# Altium PCB EDA-03517-V2-0_pcb.pcbdoc (part 4 of 5) (continued)
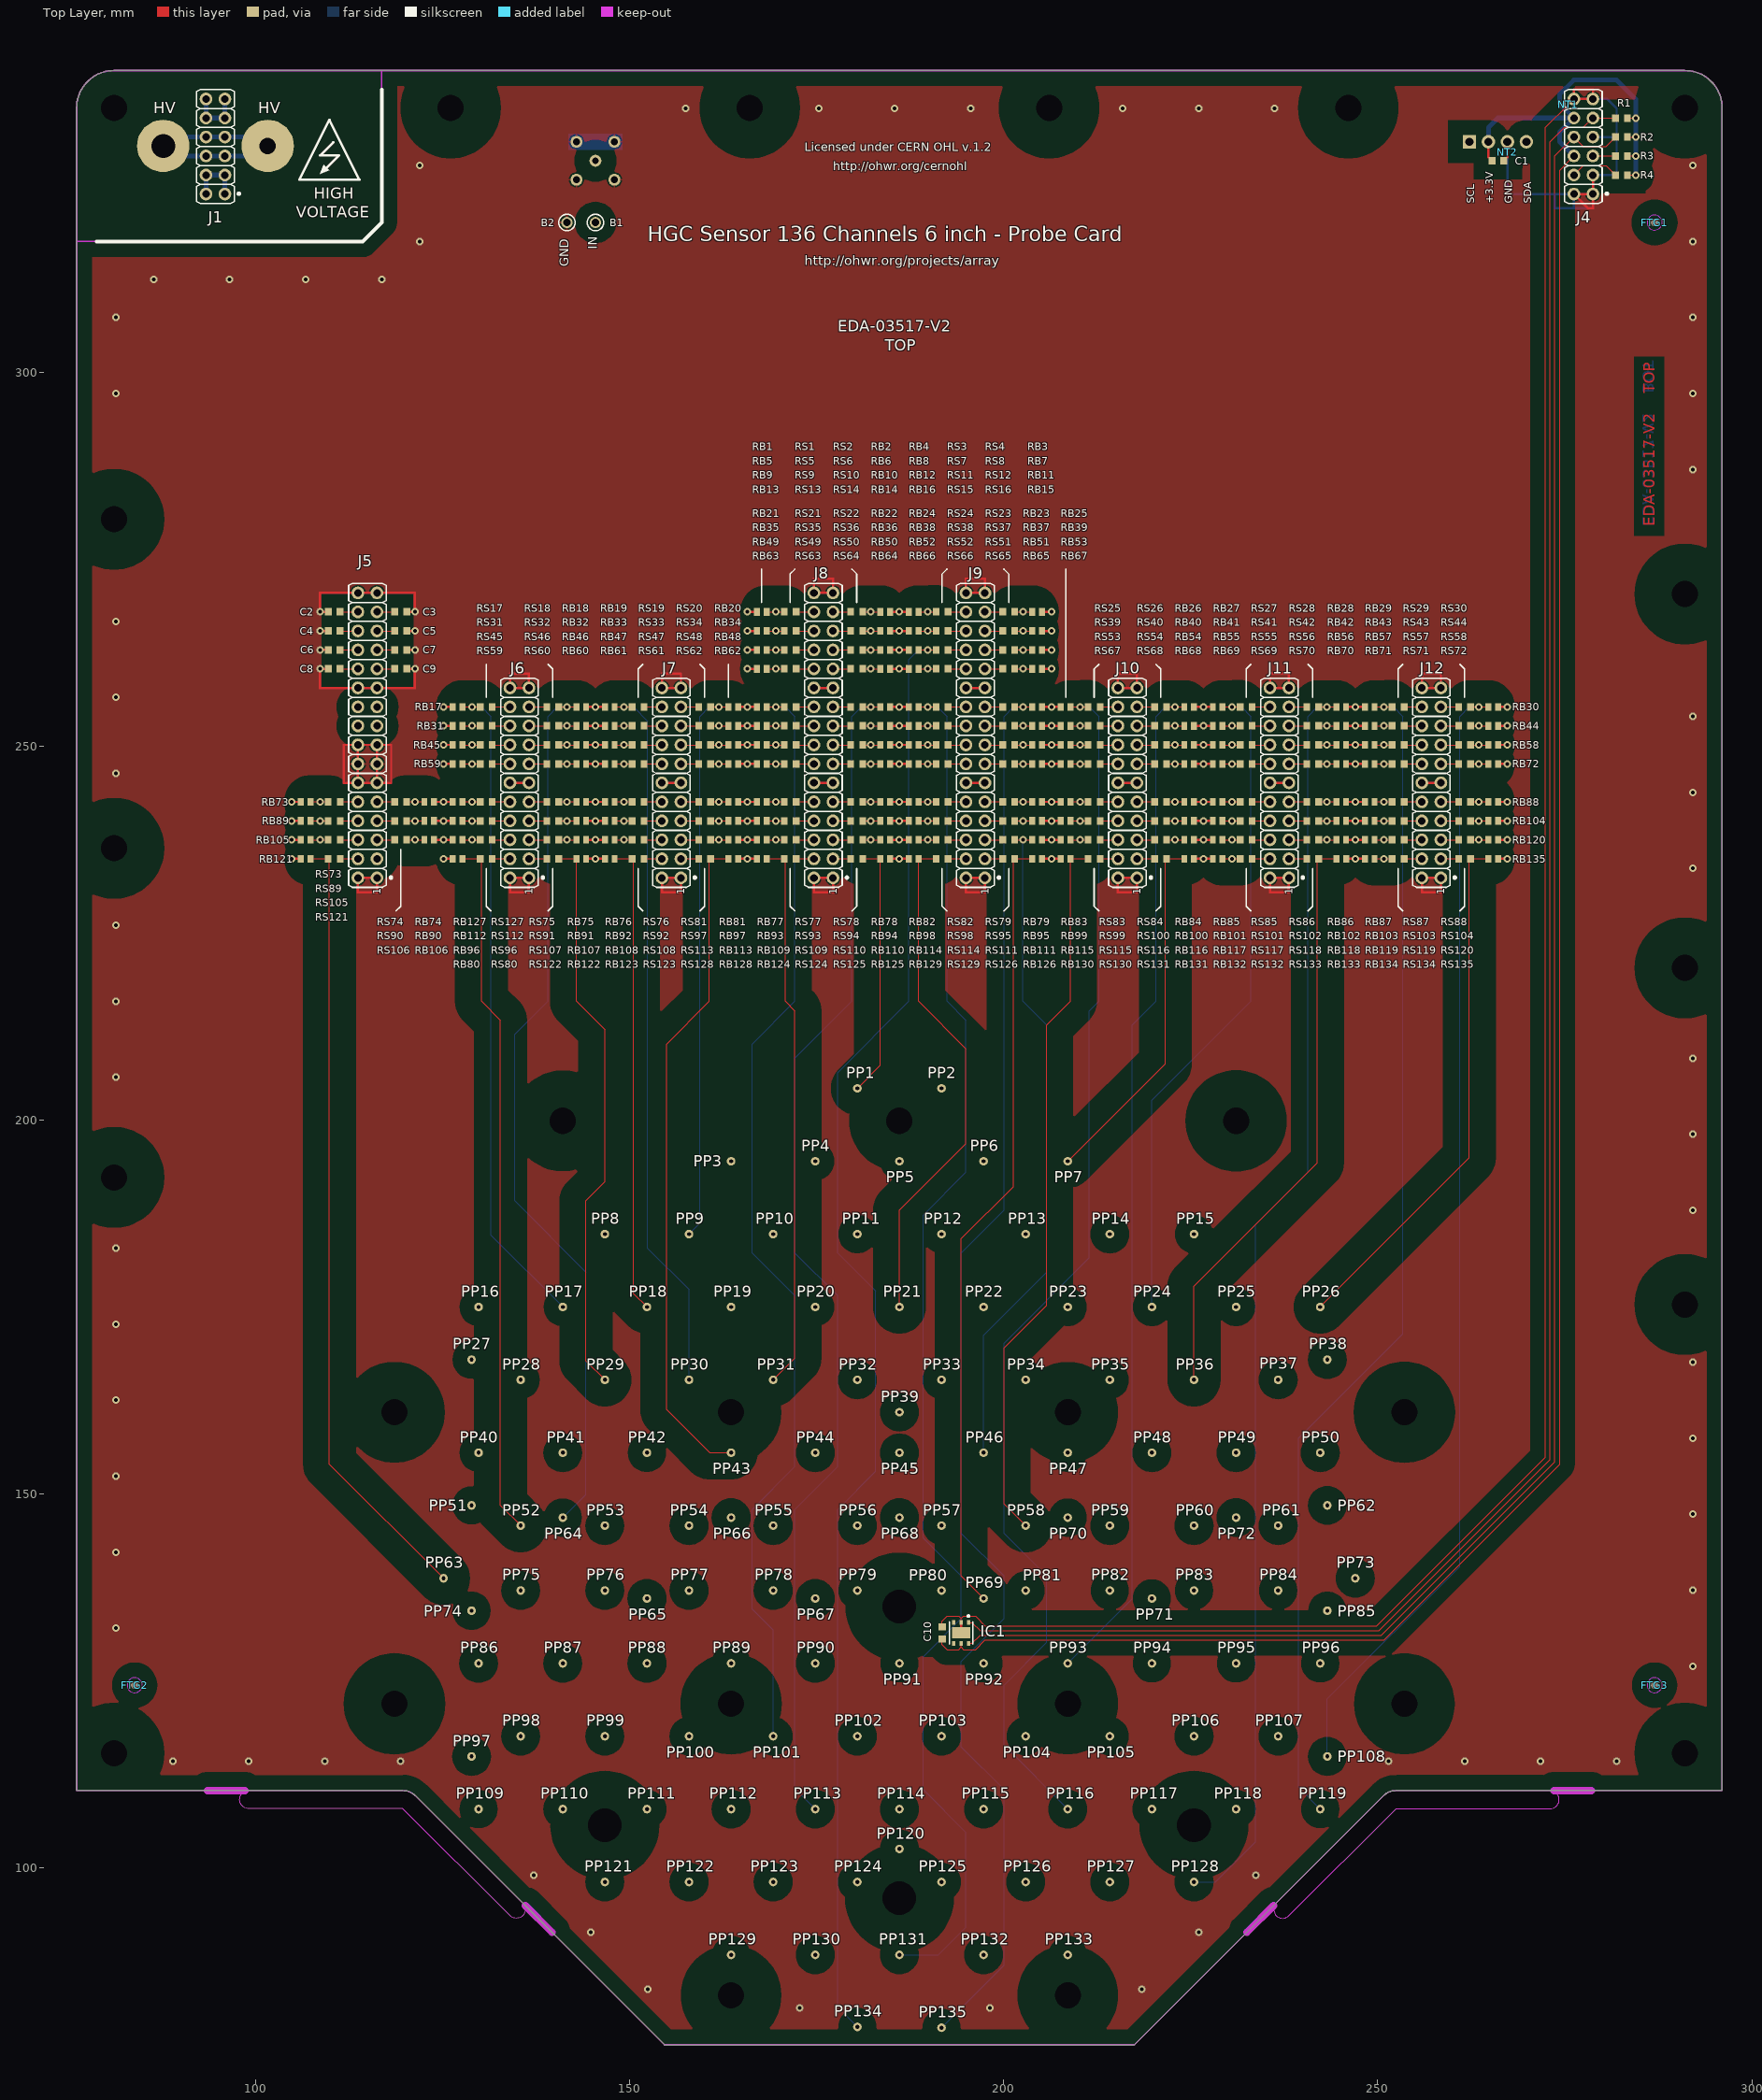
[diagram p0: Top Layer view]
## Nets (pads, with @x,y where several pads share a name; then routed paths per layer and width w, separated by ;. In a path a pad name is that pad's centre, name@x,y a point inside that pad or via, vN(x,y) a via of type N, cw(c..) or ccw(c..) an arc to the next point about the centre after c; other vN are vias at no path point) (continued)
NetPP109_1: PP109.1 RB96.1 RS96.1 | length 142.8
  Top Layer w0.152: RB96.1@127.65,240.03 v1(128.905,240.03) RS96.1@130.01,240.03
  L3 w0.152: v1(128.905,240.03) 130.175,240.03 131.445,238.76 131.445,185.42 138.43,178.435 138.43,116.521 PP109.1@129.795,107.886
NetPP110_1: PP110.1 RB46.1 RS46.1 | length 152
  Top Layer w0.152: RS46.1@140.5,250.19 v1(141.605,250.19) RB46.1@142.86,250.19
  L6 w0.152: PP110.1@141.047,107.886 141.047,121.362 144.145,124.46 144.145,189.23 146.685,191.77 146.685,208.28 139.065,215.9 139.065,219.71 139.065,248.92 140.335,250.19 v1(141.605,250.19)
NetPP111_1: PP111.1 RB47.1 RS47.1 | length 148.3
  Top Layer w0.152: RB47.1@147.97,250.19 v1(149.225,250.19) RS47.1@150.33,250.19
  L6 w0.152: v1(149.225,250.19) 150.495,250.19 151.765,248.92 151.765,215.9 149.86,213.995 149.86,124.46 152.299,122.021 PP111.1@152.299,107.886
NetPP112_1: PP112.1 RB13.1 RS13.1 | length 166.8
  Top Layer w0.152: RB13.1@168.29,260.35 v1(169.545,260.35) RS13.1@170.65,260.35
  L2 w0.152: PP112.1@163.551,107.886 159.449,107.886 154.94,112.395 154.94,158.75 166.37,170.18 166.37,215.265 167.005,215.9 167.005,257.81 v1(169.545,260.35)
NetPP113_1: PP113.1 RB22.1 RS22.1 | length 160.6
  Top Layer w0.152: RS22.1@181.14,255.27 RB22.1@183.5,255.27
  Bottom Layer w0.152: PP113.1@174.803,107.886 172.085,110.604 172.085,147.955 177.8,153.67 177.8,176.53 172.085,182.245 172.085,208.28 179.705,215.9 179.705,254 180.975,255.27 v1(182.245,255.27)
NetPP114_1: PP114.1 RB52.1 RS52.1 | length 155.9
  Top Layer w0.152: RB52.1@188.61,250.19 v1(189.865,250.19) RS52.1@190.97,250.19
  L6 w0.152: PP114.1@186.055,107.886 186.055,121.285 194.945,130.175 194.945,172.085 188.595,178.435 188.595,186.69 191.77,189.865 191.77,200.66 187.325,205.105 187.325,248.92 188.595,250.19 v1(189.865,250.19)
NetPP115_1: PP115.1 RB95.1 RS95.1 | length 142
  Top Layer w0.152: RS95.1@201.46,240.03 v1(202.565,240.03) RB95.1@203.82,240.03
  L3 w0.152: PP115.1@197.307,107.886 197.307,120.828 194.31,123.825 194.31,166.37 200.025,172.085 200.025,210.82 205.105,215.9 205.105,238.76 203.835,240.03 v1(202.565,240.03)
NetPP116_1: PP116.1 RB25.1 RS25.1 | length 165.1
  Top Layer w0.152: RB25.1@208.93,255.27 v1(210.185,255.27) RS25.1@211.29,255.27
  Bottom Layer w0.152: PP116.1@208.559,107.886 200.025,116.42 200.025,124.46 205.74,130.175 205.74,139.065 200.025,144.78 200.025,170.18 211.455,181.61 211.455,214.63 212.725,215.9 212.725,254 211.455,255.27 v1(210.185,255.27)
NetPP117_1: PP117.1 RB132.1 RS132.1 | length 138.7
  Top Layer w0.152: RB132.1@229.25,234.95 v1(230.505,234.95) RS132.1@231.61,234.95
  L6 w0.152: PP117.1@219.811,107.886 217.17,110.527 217.17,142.875 222.885,148.59 222.885,157.48 228.6,163.195 228.6,187.96 225.425,191.135 225.425,210.82 230.505,215.9 v1(230.505,234.95)
NetPP118_1: PP118.1 RB102.1 RS102.1 | length 142.3
  Top Layer w0.152: RS102.1@242.1,240.03 RB102.1@244.46,240.03
  L3 w0.152: PP118.1@231.063,107.886 231.063,120.092 228.6,122.555 228.6,180.975 240.665,193.04 240.665,238.76 241.935,240.03 v1(243.205,240.03)
NetPP119_1: PP119.1 RB29.1 RS29.1 | length 158.5
  Top Layer w0.152: RB29.1@249.57,255.27 v1(250.825,255.27) RS29.1@251.93,255.27
  Bottom Layer w0.152: PP119.1@242.315,107.886 239.395,110.806 239.395,157.48 253.365,171.45 253.365,223.52 253.365,254 252.095,255.27 v1(250.825,255.27)
NetPP120_1: PP120.1 RB4.1 RS3.1 | length 173.8
  Top Layer w0.152: RB4.1@188.61,267.97 v1(189.865,267.97) RS3.1@190.97,267.97
  L7 w0.152: PP120.1@186.055,102.56 194.31,110.815 194.31,213.995 192.405,215.9 192.405,266.7 191.135,267.97 v1(189.865,267.97)
NetPP121_1: PP121.1 RB76.1 RS76.1 | length 157.7
  Top Layer w0.152: RB76.1@147.97,242.57 RS76.1@150.33,242.57
  L4 w0.152: PP121.1@146.673,98.141 149.576,98.141 156.21,104.775 156.21,111.125 149.86,117.475 149.86,213.36 151.765,215.265 151.765,241.3 150.495,242.57 v1(149.225,242.57)
NetPP122_1: PP122.1 RB62.1 RS62.1 | length 164
  Top Layer w0.152: RS62.1@160.82,247.65 v1(161.925,247.65) RB62.1@163.18,247.65
  L5 w0.152: PP122.1@157.925,98.141 172.085,112.301 172.085,172.72 166.37,178.435 166.37,208.915 159.385,215.9 159.385,245.11 v1(161.925,247.65)
NetPP123_1: PP123.1 RB35.1 RS35.1 | length 164.7
  Top Layer w0.152: RB35.1@168.29,252.73 RS35.1@170.65,252.73
  L7 w0.152: PP123.1@169.177,98.141 172.085,101.049 172.085,141.605 177.8,147.32 177.8,210.185 172.085,215.9 172.085,251.46 170.815,252.73 v1(169.545,252.73)
NetPP124_1: PP124.1 RB14.1 RS14.1 | length 170.1
  Top Layer w0.152: RS14.1@181.14,260.35 v1(182.245,260.35) RB14.1@183.5,260.35
  L2 w0.152: PP124.1@180.429,98.141 177.8,100.77 177.8,195.58 174.625,198.755 174.625,210.82 179.705,215.9 179.705,257.81 v1(182.245,260.35)
NetPP125_1: PP125.1 RB16.1 RS15.1 | length 169.6
  Top Layer w0.152: RB16.1@188.61,260.35 v1(189.865,260.35) RS15.1@190.97,260.35
  L2 w0.152: v1(189.865,260.35) 192.405,257.81 192.405,213.995 196.85,209.55 196.85,198.755 194.945,196.85 194.945,101.405 PP125.1@191.681,98.141
NetPP126_1: PP126.1 RB83.1 RS83.1 | length 157.2
  Top Layer w0.152: RB83.1@208.93,242.57 v1(210.185,242.57) RS83.1@211.29,242.57
  L4 w0.152: PP126.1@202.933,98.141 200.025,101.049 200.025,123.825 205.74,129.54 205.74,153.035 203.2,155.575 203.2,161.925 205.74,164.465 205.74,208.915 212.725,215.9 212.725,241.3 211.455,242.57 v1(210.185,242.57)
NetPP127_1: PP127.1 RB116.1 RS116.1 | length 150
  Top Layer w0.152: RS116.1@221.78,237.49 v1(222.885,237.49) RB116.1@224.14,237.49
  L2 w0.152: PP127.1@214.185,98.141 214.185,110.045 217.17,113.03 217.17,167.64 211.455,173.355 211.455,204.47 222.885,215.9 v1(222.885,237.49)
NetPP128_1: PP128.1 RB28.1 RS28.1 | length 169.3
  Top Layer w0.152: RS28.1@242.1,255.27 RB28.1@244.46,255.27
  Bottom Layer w0.152: PP128.1@225.437,98.141 228.316,98.141 233.68,103.505 233.68,186.055 240.665,193.04 240.665,254 241.935,255.27 v1(243.205,255.27)
NetPP129_1: PP129.1 RB49.1 RS49.1 | length 174.2
  Top Layer w0.152: RB49.1@168.29,250.19 RS49.1@170.65,250.19
  L6 w0.152: PP129.1@163.551,88.397 163.551,100.686 177.8,114.935 177.8,186.69 172.085,192.405 172.085,248.92 170.815,250.19 v1(169.545,250.19)
NetPP130_1: PP130.1 RB36.1 RS36.1 | length 175.3
  Top Layer w0.152: RS36.1@181.14,252.73 RB36.1@183.5,252.73
  L7 w0.152: PP130.1@174.803,88.397 177.8,91.394 177.8,139.065 183.515,144.78 183.515,187.325 180.34,190.5 180.34,200.66 184.785,205.105 184.785,251.46 183.515,252.73 v1(182.245,252.73)
NetPP131_1: PP131.1 RB24.1 RS24.1 | length 187.8
  Top Layer w0.152: RB24.1@188.61,255.27 v1(189.865,255.27) RS24.1@190.97,255.27
  Bottom Layer w0.152: PP131.1@186.055,88.397 191.267,88.397 194.945,92.075 194.945,104.775 189.23,110.49 189.23,128.27 194.31,133.35 194.31,139.065 189.23,144.145 189.23,187.325 194.945,193.04 194.945,213.36 192.405,215.9 192.405,254 191.135,255.27 v1(189.865,255.27)
NetPP132_1: PP132.1 RB37.1 RS37.1 | length 169.6
  Top Layer w0.152: RS37.1@201.46,252.73 RB37.1@203.82,252.73
  L7 w0.152: PP132.1@197.307,88.397 200.025,91.115 200.025,251.46 201.295,252.73 v1(202.565,252.73)
NetPP133_1: PP133.1 RB39.1 RS39.1 | length 180.7
  Top Layer w0.152: RB39.1@208.93,252.73 v1(210.185,252.73) RS39.1@211.29,252.73
  L7 w0.152: PP133.1@208.559,88.397 216.535,96.373 216.535,125.095 205.74,135.89 205.74,156.845 203.835,158.75 203.835,162.56 205.74,164.465 205.74,208.915 212.725,215.9 212.725,251.46 211.455,252.73 v1(210.185,252.73)
NetPP134_1: PP134.1 RB12.1 RS11.1 | length 197.5
  Top Layer w0.152: RB12.1@188.61,262.89 v1(189.865,262.89) RS11.1@190.97,262.89
  Bottom Layer w0.152: PP134.1@180.435,78.76 177.8,81.395 177.8,147.955 182.88,153.035 182.88,177.165 177.8,182.245 177.8,206.375 187.325,215.9 187.325,261.62 188.595,262.89 v1(189.865,262.89)
NetPP135_1: PP135.1 RB23.1 RS23.1 | length 193.7
  Top Layer w0.152: RS23.1@201.46,255.27 RB23.1@203.82,255.27
  Bottom Layer w0.152: PP135.1@191.681,78.652 200.025,86.996 200.025,110.49 194.31,116.205 194.31,127.635 200.025,133.35 200.025,139.065 194.31,144.78 194.31,182.245 200.025,187.96 200.025,254 201.295,255.27 v1(202.565,255.27)
PP1: J8.3 RS125.2 | length 2.4
  Top Layer w0.152: J8.3@177.165,234.95 RS125.2@179.54,234.95
PP2: J9.15 RS51.2 | length 2.4
  Top Layer w0.152: J9.15@197.485,250.19 RS51.2@199.86,250.19
PP3: J7.7 RS97.2 | length 2.4
  Top Layer w0.152: J7.7@156.845,240.03 RS97.2@159.22,240.03
PP4: J8.30 RS1.2 | length 2.4
  Top Layer w0.152: RS1.2@172.25,267.97 J8.30@174.625,267.97
PP5: J9.6 RS114.2 | length 2.4
  Top Layer w0.152: RS114.2@192.57,237.49 J9.6@194.945,237.49
PP6: J9.9 RS79.2 | length 2.4
  Top Layer w0.152: J9.9@197.485,242.57 RS79.2@199.86,242.57
PP7: J10.3 RS131.2 | length 2.4
  Top Layer w0.152: J10.3@217.805,234.95 RS131.2@220.18,234.95
PP8: J6.5 RS107.2 | length 2.4
  Top Layer w0.152: J6.5@136.525,237.49 RS107.2@138.9,237.49
PP9: J7.19 RS20.2 | length 2.4
  Top Layer w0.152: J7.19@156.845,255.27 RS20.2@159.22,255.27
PP10: J8.14 RS63.2 | length 2.4
  Top Layer w0.152: RS63.2@172.25,247.65 J8.14@174.625,247.65
PP11: J8.27 RS6.2 | length 2.4
  Top Layer w0.152: J8.27@177.165,265.43 RS6.2@179.54,265.43
PP12: J9.23 RS16.2 | length 2.4
  Top Layer w0.152: J9.23@197.485,260.35 RS16.2@199.86,260.35
PP13: J10.16 RS53.2 | length 2.4
  Top Layer w0.152: RS53.2@212.89,250.19 J10.16@215.265,250.19
PP14: J11.6 RS117.2 | length 2.4
  Top Layer w0.152: RS117.2@233.21,237.49 J11.6@235.585,237.49
PP15: J11.5 RS118.2 | length 2.4
  Top Layer w0.152: J11.5@238.125,237.49 RS118.2@240.5,237.49
PP16: J5.10 RS73.2 | length 2.4
  Top Layer w0.152: RS73.2@111.29,242.57 J5.10@113.665,242.57
PP17: J6.20 RS17.2 | length 2.4
  Top Layer w0.152: RS17.2@131.61,255.27 J6.20@133.985,255.27
PP18: J7.4 RS123.2 | length 2.4
  Top Layer w0.152: RS123.2@151.93,234.95 J7.4@154.305,234.95
PP19: J7.5 RS113.2 | length 2.4
  Top Layer w0.152: J7.5@156.845,237.49 RS113.2@159.22,237.49
PP20: J8.28 RS5.2 | length 2.4
  Top Layer w0.152: RS5.2@172.25,265.43 J8.28@174.625,265.43
PP21: J9.4 RS129.2 | length 2.4
  Top Layer w0.152: RS129.2@192.57,234.95 J9.4@194.945,234.95
PP22: J9.25 RS12.2 | length 2.4
  Top Layer w0.152: J9.25@197.485,262.89 RS12.2@199.86,262.89
PP23: J10.13 RS68.2 | length 2.4
  Top Layer w0.152: J10.13@217.805,247.65 RS68.2@220.18,247.65
PP24: J11.20 RS27.2 | length 2.4
  Top Layer w0.152: RS27.2@233.21,255.27 J11.20@235.585,255.27
PP25: J12.6 RS119.2 | length 2.4
  Top Layer w0.152: RS119.2@253.53,237.49 J12.6@255.905,237.49
PP26: J12.3 RS135.2 | length 2.4
  Top Layer w0.152: J12.3@258.445,234.95 RS135.2@260.82,234.95
PP27: J5.8 RS89.2 | length 2.4
  Top Layer w0.152: RS89.2@111.29,240.03 J5.8@113.665,240.03
PP28: J6.6 RS112.2 | length 2.4
  Top Layer w0.152: RS112.2@131.61,237.49 J6.6@133.985,237.49
PP29: J6.3 RS122.2 | length 2.4
  Top Layer w0.152: J6.3@136.525,234.95 RS122.2@138.9,234.95
PP30: J7.20 RS19.2 | length 2.4
  Top Layer w0.152: RS19.2@151.93,255.27 J7.20@154.305,255.27
PP31: J8.4 RS124.2 | length 2.4
  Top Layer w0.152: RS124.2@172.25,234.95 J8.4@174.625,234.95
PP32: J8.29 RS2.2 | length 2.4
  Top Layer w0.152: J8.29@177.165,267.97 RS2.2@179.54,267.97
PP33: J9.13 RS65.2 | length 2.4
  Top Layer w0.152: J9.13@197.485,247.65 RS65.2@199.86,247.65
PP34: J10.14 RS67.2 | length 2.4
  Top Layer w0.152: RS67.2@212.89,247.65 J10.14@215.265,247.65
PP35: J11.8 RS101.2 | length 2.4
  Top Layer w0.152: RS101.2@233.21,240.03 J11.8@235.585,240.03
PP36: J11.3 RS133.2 | length 2.4
  Top Layer w0.152: J11.3@238.125,234.95 RS133.2@240.5,234.95
PP37: J12.18 RS43.2 | length 2.4
  Top Layer w0.152: RS43.2@253.53,252.73 J12.18@255.905,252.73
PP38: J12.5 RS120.2 | length 2.4
  Top Layer w0.152: J12.5@258.445,237.49 RS120.2@260.82,237.49
PP39: J9.14 RS66.2 | length 2.4
  Top Layer w0.152: RS66.2@192.57,247.65 J9.14@194.945,247.65
PP40: J5.6 RS105.2 | length 2.4
  Top Layer w0.152: RS105.2@111.29,237.49 J5.6@113.665,237.49
PP41: J6.18 RS31.2 | length 2.4
  Top Layer w0.152: RS31.2@131.61,252.73 J6.18@133.985,252.73
PP42: J7.6 RS108.2 | length 2.4
  Top Layer w0.152: RS108.2@151.93,237.49 J7.6@154.305,237.49
PP43: J7.3 RS128.2 | length 2.4
  Top Layer w0.152: J7.3@156.845,234.95 RS128.2@159.22,234.95
PP44: J8.26 RS9.2 | length 2.4
  Top Layer w0.152: RS9.2@172.25,262.89 J8.26@174.625,262.89
PP45: J9.8 RS98.2 | length 2.4
  Top Layer w0.152: RS98.2@192.57,240.03 J9.8@194.945,240.03
PP46: J9.5 RS111.2 | length 2.4
  Top Layer w0.152: J9.5@197.485,237.49 RS111.2@199.86,237.49
PP47: J10.15 RS54.2 | length 2.4
  Top Layer w0.152: J10.15@217.805,250.19 RS54.2@220.18,250.19
PP48: J11.18 RS41.2 | length 2.4
  Top Layer w0.152: RS41.2@233.21,252.73 J11.18@235.585,252.73
PP49: J12.8 RS103.2 | length 2.4
  Top Layer w0.152: RS103.2@253.53,240.03 J12.8@255.905,240.03
PP50: J12.13 RS72.2 | length 2.4
  Top Layer w0.152: J12.13@258.445,247.65 RS72.2@260.82,247.65
PP51: J5.5 RS106.2 | length 2.4
  Top Layer w0.152: J5.5@116.205,237.49 RS106.2@118.58,237.49
PP52: J6.4 RS127.2 | length 2.4
  Top Layer w0.152: RS127.2@131.61,234.95 J6.4@133.985,234.95
PP53: J6.13 RS60.2 | length 2.4
  Top Layer w0.152: J6.13@136.525,247.65 RS60.2@138.9,247.65
PP54: J7.18 RS33.2 | length 2.4
  Top Layer w0.152: RS33.2@151.93,252.73 J7.18@154.305,252.73
PP55: J8.6 RS109.2 | length 2.4
  Top Layer w0.152: RS109.2@172.25,237.49 J8.6@174.625,237.49
PP56: J8.15 RS50.2 | length 2.4
  Top Layer w0.152: J8.15@177.165,250.19 RS50.2@179.54,250.19
PP57: J9.29 RS4.2 | length 2.4
  Top Layer w0.152: J9.29@197.485,267.97 RS4.2@199.86,267.97
PP58: J10.4 RS130.2 | length 2.4
  Top Layer w0.152: RS130.2@212.89,234.95 J10.4@215.265,234.95
PP59: J11.10 RS85.2 | length 2.4
  Top Layer w0.152: RS85.2@233.21,242.57 J11.10@235.585,242.57
PP60: J11.13 RS70.2 | length 2.4
  Top Layer w0.152: J11.13@238.125,247.65 RS70.2@240.5,247.65
PP61: J12.16 RS57.2 | length 2.4
  Top Layer w0.152: RS57.2@253.53,250.19 J12.16@255.905,250.19
PP62: J12.7 RS104.2 | length 2.4
  Top Layer w0.152: J12.7@258.445,240.03 RS104.2@260.82,240.03
PP63: J5.4 RS121.2 | length 2.4
  Top Layer w0.152: RS121.2@111.29,234.95 J5.4@113.665,234.95
PP64: J6.19 RS18.2 | length 2.4
  Top Layer w0.152: J6.19@136.525,255.27 RS18.2@138.9,255.27
PP65: J7.8 RS92.2 | length 2.4
  Top Layer w0.152: RS92.2@151.93,240.03 J7.8@154.305,240.03
PP66: J7.9 RS81.2 | length 2.4
  Top Layer w0.152: J7.9@156.845,242.57 RS81.2@159.22,242.57
PP67: J8.13 RS64.2 | length 2.4
  Top Layer w0.152: J8.13@177.165,247.65 RS64.2@179.54,247.65
PP68: J9.28 RS7.2 | length 2.4
  Top Layer w0.152: RS7.2@192.57,265.43 J9.28@194.945,265.43
PP69: J9.3 RS126.2 | length 2.4
  Top Layer w0.152: J9.3@197.485,234.95 RS126.2@199.86,234.95
PP70: J10.17 RS40.2 | length 2.4
  Top Layer w0.152: J10.17@217.805,252.73 RS40.2@220.18,252.73
PP71: J11.16 RS55.2 | length 2.4
  Top Layer w0.152: RS55.2@233.21,250.19 J11.16@235.585,250.19
PP72: J12.10 RS87.2 | length 2.4
  Top Layer w0.152: RS87.2@253.53,242.57 J12.10@255.905,242.57
PP73: J12.9 RS88.2 | length 2.4
  Top Layer w0.152: J12.9@258.445,242.57 RS88.2@260.82,242.57
PP74: J5.7 RS90.2 | length 2.4
  Top Layer w0.152: J5.7@116.205,240.03 RS90.2@118.58,240.03
PP75: J6.14 RS59.2 | length 2.4
  Top Layer w0.152: RS59.2@131.61,247.65 J6.14@133.985,247.65
PP76: J6.7 RS91.2 | length 2.4
  Top Layer w0.152: J6.7@136.525,240.03 RS91.2@138.9,240.03
PP77: J7.17 RS34.2 | length 2.4
  Top Layer w0.152: J7.17@156.845,252.73 RS34.2@159.22,252.73
PP78: J8.8 RS93.2 | length 2.4
  Top Layer w0.152: RS93.2@172.25,240.03 J8.8@174.625,240.03
PP79: J8.5 RS110.2 | length 2.4
  Top Layer w0.152: J8.5@177.165,237.49 RS110.2@179.54,237.49
PP80: J9.18 RS38.2 | length 2.4
  Top Layer w0.152: RS38.2@192.57,252.73 J9.18@194.945,252.73
PP81: J10.6 RS115.2 | length 2.4
  Top Layer w0.152: RS115.2@212.89,237.49 J10.6@215.265,237.49
PP82: J10.9 RS84.2 | length 2.4
  Top Layer w0.152: J10.9@217.805,242.57 RS84.2@220.18,242.57
PP83: J11.15 RS56.2 | length 2.4
  Top Layer w0.152: J11.15@238.125,250.19 RS56.2@240.5,250.19
PP84: J12.14 RS71.2 | length 2.4
  Top Layer w0.152: RS71.2@253.53,247.65 J12.14@255.905,247.65
PP85: J12.15 RS58.2 | length 2.4
  Top Layer w0.152: J12.15@258.445,250.19 RS58.2@260.82,250.19
PP86: J5.9 RS74.2 | length 2.4
  Top Layer w0.152: J5.9@116.205,242.57 RS74.2@118.58,242.57
PP87: J6.17 RS32.2 | length 2.4
  Top Layer w0.152: J6.17@136.525,252.73 RS32.2@138.9,252.73
PP88: J7.14 RS61.2 | length 2.4
  Top Layer w0.152: RS61.2@151.93,247.65 J7.14@154.305,247.65
PP89: J8.10 RS77.2 | length 2.4
  Top Layer w0.152: RS77.2@172.25,242.57 J8.10@174.625,242.57
PP90: J8.9 RS78.2 | length 2.4
  Top Layer w0.152: J8.9@177.165,242.57 RS78.2@179.54,242.57
PP91: J8.25 RS10.2 | length 2.4
  Top Layer w0.152: J8.25@177.165,262.89 RS10.2@179.54,262.89
PP92: J9.27 RS8.2 | length 2.4
  Top Layer w0.152: J9.27@197.485,265.43 RS8.2@199.86,265.43
PP93: J10.19 RS26.2 | length 2.4
  Top Layer w0.152: J10.19@217.805,255.27 RS26.2@220.18,255.27
PP94: J11.14 RS69.2 | length 2.4
  Top Layer w0.152: RS69.2@233.21,247.65 J11.14@235.585,247.65
PP95: J11.9 RS86.2 | length 2.4
  Top Layer w0.152: J11.9@238.125,242.57 RS86.2@240.5,242.57
PP96: J12.17 RS44.2 | length 2.4
  Top Layer w0.152: J12.17@258.445,252.73 RS44.2@260.82,252.73
PP97: J6.10 RS80.2 | length 2.4
  Top Layer w0.152: RS80.2@131.61,242.57 J6.10@133.985,242.57
PP98: J6.16 RS45.2 | length 2.4
  Top Layer w0.152: RS45.2@131.61,250.19 J6.16@133.985,250.19
PP99: J6.9 RS75.2 | length 2.4
  Top Layer w0.152: J6.9@136.525,242.57 RS75.2@138.9,242.57
PP100: J7.15 RS48.2 | length 2.4
  Top Layer w0.152: J7.15@156.845,250.19 RS48.2@159.22,250.19
PP101: J8.20 RS21.2 | length 2.4
  Top Layer w0.152: RS21.2@172.25,255.27 J8.20@174.625,255.27
PP102: J8.7 RS94.2 | length 2.4
  Top Layer w0.152: J8.7@177.165,240.03 RS94.2@179.54,240.03
PP103: J9.10 RS82.2 | length 2.4
  Top Layer w0.152: RS82.2@192.57,242.57 J9.10@194.945,242.57
PP104: J10.8 RS99.2 | length 2.4
  Top Layer w0.152: RS99.2@212.89,240.03 J10.8@215.265,240.03
PP105: J10.7 RS100.2 | length 2.4
  Top Layer w0.152: J10.7@217.805,240.03 RS100.2@220.18,240.03
PP106: J11.17 RS42.2 | length 2.4
  Top Layer w0.152: J11.17@238.125,252.73 RS42.2@240.5,252.73
PP107: J12.4 RS134.2 | length 2.4
  Top Layer w0.152: RS134.2@253.53,234.95 J12.4@255.905,234.95
PP108: J12.19 RS30.2 | length 2.4
  Top Layer w0.152: J12.19@258.445,255.27 RS30.2@260.82,255.27
PP109: J6.8 RS96.2 | length 2.4
  Top Layer w0.152: RS96.2@131.61,240.03 J6.8@133.985,240.03
PP110: J6.15 RS46.2 | length 2.4
  Top Layer w0.152: J6.15@136.525,250.19 RS46.2@138.9,250.19
PP111: J7.16 RS47.2 | length 2.4
  Top Layer w0.152: RS47.2@151.93,250.19 J7.16@154.305,250.19
PP112: J8.24 RS13.2 | length 2.4
  Top Layer w0.152: RS13.2@172.25,260.35 J8.24@174.625,260.35
PP113: J8.19 RS22.2 | length 2.4
  Top Layer w0.152: J8.19@177.165,255.27 RS22.2@179.54,255.27
PP114: J9.16 RS52.2 | length 2.4
  Top Layer w0.152: RS52.2@192.57,250.19 J9.16@194.945,250.19
PP115: J9.7 RS95.2 | length 2.4
  Top Layer w0.152: J9.7@197.485,240.03 RS95.2@199.86,240.03
PP116: J10.20 RS25.2 | length 2.4
  Top Layer w0.152: RS25.2@212.89,255.27 J10.20@215.265,255.27
PP117: J11.4 RS132.2 | length 2.4
  Top Layer w0.152: RS132.2@233.21,234.95 J11.4@235.585,234.95
PP118: J11.7 RS102.2 | length 2.4
  Top Layer w0.152: J11.7@238.125,240.03 RS102.2@240.5,240.03
PP119: J12.20 RS29.2 | length 2.4
  Top Layer w0.152: RS29.2@253.53,255.27 J12.20@255.905,255.27
PP120: J9.30 RS3.2 | length 2.4
  Top Layer w0.152: RS3.2@192.57,267.97 J9.30@194.945,267.97
PP121: J7.10 RS76.2 | length 2.4
  Top Layer w0.152: RS76.2@151.93,242.57 J7.10@154.305,242.57
PP122: J7.13 RS62.2 | length 2.4
  Top Layer w0.152: J7.13@156.845,247.65 RS62.2@159.22,247.65
PP123: J8.18 RS35.2 | length 2.4
  Top Layer w0.152: RS35.2@172.25,252.73 J8.18@174.625,252.73
PP124: J8.23 RS14.2 | length 2.4
  Top Layer w0.152: J8.23@177.165,260.35 RS14.2@179.54,260.35
PP125: J9.24 RS15.2 | length 2.4
  Top Layer w0.152: RS15.2@192.57,260.35 J9.24@194.945,260.35
PP126: J10.10 RS83.2 | length 2.4
  Top Layer w0.152: RS83.2@212.89,242.57 J10.10@215.265,242.57
PP127: J10.5 RS116.2 | length 2.4
  Top Layer w0.152: J10.5@217.805,237.49 RS116.2@220.18,237.49
PP128: J11.19 RS28.2 | length 2.4
  Top Layer w0.152: J11.19@238.125,255.27 RS28.2@240.5,255.27
PP129: J8.16 RS49.2 | length 2.4
  Top Layer w0.152: RS49.2@172.25,250.19 J8.16@174.625,250.19
PP130: J8.17 RS36.2 | length 2.4
  Top Layer w0.152: J8.17@177.165,252.73 RS36.2@179.54,252.73
PP131: J9.20 RS24.2 | length 2.4
  Top Layer w0.152: RS24.2@192.57,255.27 J9.20@194.945,255.27
PP132: J9.17 RS37.2 | length 2.4
  Top Layer w0.152: J9.17@197.485,252.73 RS37.2@199.86,252.73
PP133: J10.18 RS39.2 | length 2.4
  Top Layer w0.152: RS39.2@212.89,252.73 J10.18@215.265,252.73
PP134: J9.26 RS11.2 | length 2.4
  Top Layer w0.152: RS11.2@192.57,262.89 J9.26@194.945,262.89
PP135: J9.19 RS23.2 | length 2.4
  Top Layer w0.152: J9.19@197.485,255.27 RS23.2@199.86,255.27
SCL3: IC1.6 J4.8 R2.1 | length 273.2
  Top Layer w0.152: IC1.6@195.31,130.045 195.768,130.045 196.85,131.127 250.507,131.127 273.685,154.305 273.685,328.93 J4.8@276.225,331.47 277.495,330.2 280.505,330.2 R2.1@281.775,331.47
SCL4: J3.1 J4.4 R4.1 | length 23.5
  Top Layer w0.152: J4.4@276.225,326.39 277.495,327.66 280.505,327.66 R4.1@281.775,326.39
  L2 w0.152: J3.1@262.255,330.835 262.255,328.93 264.795,326.39 J4.4@276.225,326.39
SDA3: IC1.1 J4.9 R1.1 | length 273.9
  Top Layer w0.152: IC1.1@195.31,132.845 195.768,132.845 196.85,131.762 250.19,131.762 273.05,154.623 273.05,330.835 274.955,332.74 277.495,332.74 J4.9@278.765,334.01 R1.1@281.775,334.01
SDA4: J3.4 J4.5 R3.1 | length 12.7
  Top Layer w0.152: J4.5@278.765,328.93 R3.1@281.775,328.93
  L2 w0.152: J3.4@269.875,330.835 270.51,330.2 277.495,330.2 J4.5@278.765,328.93
VSS: C10.1 IC1.2 IC1.7 NT1.2 | length 276
  Top Layer w0.152: C10.1@191.77,132.245 191.77,133.032 192.405,133.667 193.992,133.667 194.31,133.35 ; IC1.2@194.31,132.845 194.31,133.35 ; NT1.2@275.59,335.915 272.415,332.74 272.415,154.94 249.873,132.398 197.485,132.398 196.215,133.667 194.627,133.667 194.31,133.35
  Top Layer w0.305: IC1.7@194.31,131.445 IC1.2@194.31,132.845
pads on no net: FTG1.FTG2 FTG2.FTG2 FTG3.FTG2 IC1.3 IC1.4 J5.17 J5.18 J5.19 J5.20

## Polygon pours and split planes (outlines as drawn)
GND on Top Layer "GND_L01_P002" (solid, remove dead copper, pour order 2): 76.69,339.725 295.42,339.725 295.42,110.995 251.137,110.995 217.137,76.995 154.973,76.995 120.972,110.995 76.69,110.995
GND on Bottom Layer "GND_L08_P016" (solid, remove dead copper, pour order 16): 76.69,339.725 295.42,339.725 295.42,110.995 251.137,110.995 217.137,76.995 154.973,76.995 120.972,110.995 76.69,110.995
GND on L2 "GND_L02_P004" (solid, remove dead copper, pour order 4): 76.69,339.725 295.42,339.725 295.42,110.995 251.137,110.995 217.137,76.995 154.973,76.995 120.972,110.995 76.69,110.995
GND on L3 "GND_L03_P006" (solid, remove dead copper, pour order 6): 76.69,339.725 295.42,339.725 295.42,110.995 251.137,110.995 217.137,76.995 154.973,76.995 120.972,110.995 76.69,110.995
GND on L4 "GND_L04_P008" (solid, remove dead copper, pour order 8): 76.69,339.725 295.42,339.725 295.42,110.995 251.137,110.995 217.137,76.995 154.973,76.995 120.972,110.995 76.69,110.995
GND on L5 "GND_L05_P010" (solid, remove dead copper, pour order 10): 76.69,339.725 295.42,339.725 295.42,110.995 251.137,110.995 217.137,76.995 154.973,76.995 120.972,110.995 76.69,110.995
GND on L6 "GND_L06_P012" (solid, remove dead copper, pour order 12): 76.69,339.725 295.42,339.725 295.42,110.995 251.137,110.995 217.137,76.995 154.973,76.995 120.972,110.995 76.69,110.995
GND on L7 "GND_L07_P014" (solid, remove dead copper, pour order 14): 76.69,339.725 295.42,339.725 295.42,110.995 251.137,110.995 217.137,76.995 154.973,76.995 120.972,110.995 76.69,110.995

## Keep-outs
Keep-Out Layer:
  lines w0.2: 76.055,110.36 76.055,335.36 cw(c81.055,335.36) 81.055,340.36 291.055,340.36 cw(c291.055,335.36) 296.055,335.36 296.055,110.36 252.449,110.36 ccw(c252.449,107.96) 250.752,109.657 217.455,76.36 154.655,76.36 121.358,109.657 ccw(c119.661,107.96) 119.661,110.36 76.055,110.36
  lines w1: 93.555,110.36 98.555,110.36 ; 136.039,94.976 139.574,91.441 ; 232.544,91.449 236.08,94.985 ; 273.555,110.36 278.555,110.36
Multi-Layer:
  lines w0.2: 76.055,317.5 114.3,317.5 116.84,320.04 116.84,340.36

## Other copper
Top Layer:
  text "TOP" at 287.02,297.18 h1.5 r90
  text "EDA-03517-V2" at 287.02,279.4 h1.5 r90
  text ".Layer_Name" at 144.145,41.91 h1.91 r45
  text "1" at 143.192,36.83 h2.54
L2:
  text ".Layer_Name" at 149.225,41.91 h1.91 r45
  text "2" at 147.955,36.83 h2.54
L3:
  text ".Layer_Name" at 156.21,43.815 h1.91 r45
  text "3" at 152.718,36.83 h2.54
L4:
  text ".Layer_Name" at 159.385,41.91 h1.91 r45
  text "4" at 157.797,36.83 h2.54
L5:
  text ".Layer_Name" at 166.37,43.815 h1.91 r45
  text "5" at 162.877,36.83 h2.54
L6:
  text ".Layer_Name" at 169.545,41.91 h1.91 r45
  text "6" at 168.275,36.83 h2.54
L7:
  text ".Layer_Name" at 175.895,43.18 h1.91 r45
  text "7" at 173.037,36.83 h2.54
Bottom Layer:
  text "BOT" at 285.433,297.18 h1.5 r270
  text "EDA-03517-V2" at 285.433,279.4 h1.5 r270
  text ".Layer_Name" at 191.77,53.975 h1.91 r45
  text "8" at 178.118,36.83 h2.54

## Silkscreen, mask and mechanical layers (free items; w line width, h text height)
Top Overlay:
  region: 108.605,326.505 109.105,327.755 109.855,327.005
  lines w0.2: 118.745,227.965 119.38,228.6 119.38,236.22 ; 130.81,233.68 130.81,228.6 131.445,227.965 ; 130.81,256.54 130.81,260.985 ; 139.065,227.965 139.7,228.6 139.7,233.68 ; 139.065,260.985 139.7,260.35 139.7,256.54 ; 151.13,233.68 151.13,228.6 151.765,227.965 ; 151.13,256.54 151.13,260.35 151.765,260.985 ; 159.385,227.965 160.02,228.6 160.02,233.68 ; 159.385,260.985 160.02,260.35 160.02,256.54 ; 163.195,256.54 163.195,260.985 ; 167.64,269.24 167.64,273.685 ; 171.45,233.68 171.45,228.6 172.085,227.965 ; 171.45,269.24 171.45,273.05 172.085,273.685 ; 179.705,227.965 180.34,228.6 180.34,233.68 ; 179.705,273.685 180.34,273.05 180.34,269.24 ; 191.77,233.68 191.77,228.6 192.405,227.965 ; 191.77,269.24 191.77,273.05 192.405,273.685 ; 200.025,227.965 200.66,228.6 200.66,233.68 ; 200.025,273.685 200.66,273.05 200.66,269.24 ; 208.28,256.54 208.28,273.685 ; 212.09,233.68 212.09,228.6 212.725,227.965 ; 212.09,256.54 212.09,260.35 212.725,260.985 ; 220.345,227.965 220.98,228.6 220.98,233.68 ; 220.345,260.985 220.98,260.35 220.98,256.54 ; 232.41,233.68 232.41,228.6 233.045,227.965 ; 232.41,256.54 232.41,260.35 233.045,260.985 ; 240.665,227.965 241.3,228.6 241.3,233.68 ; 240.665,260.985 241.3,260.35 241.3,256.54 ; 252.73,233.68 252.73,228.6 253.365,227.965 ; 252.73,256.54 252.73,260.35 253.365,260.985 ; 260.985,227.965 261.62,228.6 261.62,233.68 ; 260.985,260.985 261.62,260.35 261.62,256.54
  lines w0.35: 109.105,327.005 111.105,329.005 108.605,329.005 110.355,330.755 ; 105.855,325.755 109.855,333.755 113.855,325.755 105.855,325.755
  lines w0.5: 78.74,317.5 114.3,317.5 116.84,320.04 116.84,337.82
  text "HV" at 86.36,334.645 h1.5
  text "HV" at 100.33,334.645 h1.5
  text "Licensed under CERN OHL v.1.2" at 173.355,329.565 h1.14
  text "http://ohwr.org/cernohl" at 177.165,327.025 h1.14
  text "HIGH" at 107.791,323.215 h1.5
  text "SCL" at 262.89,322.58 h1 r90
  text "+3.3V" at 265.43,322.58 h1 r90
  text "GND" at 267.97,322.58 h1 r90
  text "SDA" at 270.51,322.58 h1 r90
  text "VOLTAGE" at 105.41,320.675 h1.5
  text "HGC Sensor 136 Channels 6 inch - Probe Card" at 152.4,317.5 h2
  text "http://ohwr.org/projects/array" at 173.355,314.325 h1.27
  text "EDA-03517-V2" at 177.8,305.435 h1.5
  text "TOP" at 184.15,302.895 h1.5
  text ".Layer_Name" at 200.66,50.8 h1.91
Bottom Overlay:
  region: 111.105,326.505 110.605,327.755 109.855,327.005
  lines w0.35: 109.355,330.755 111.105,329.005 108.605,329.005 110.605,327.005 ; 105.855,325.755 109.855,333.755 113.855,325.755 105.855,325.755
  lines w0.5: 78.74,317.5 114.3,317.5 116.84,320.04 116.84,337.82
  text "HIGH" at 111.919,323.215 h1.5
  text "VOLTAGE" at 114.3,320.675 h1.5
  text "EDA-03517-V2" at 193.675,305.435 h1.5
  text "BOT" at 187.96,302.895 h1.5
  text ".Layer_Name" at 241.3,50.8 h1.91
Top Paste:
  text ".Layer_Name" at 200.66,45.72 h1.91
Bottom Paste:
  text ".Layer_Name" at 241.3,45.72 h1.91
Top Solder:
  lines w0.8: 93.055,110.36 99.055,110.36 ; 135.685,95.33 139.928,91.087 ; 232.191,91.096 236.434,95.339 ; 273.055,110.36 279.055,110.36
  text ".Layer_Name" at 200.66,48.26 h1.91
Bottom Solder:
  lines w0.8: 93.055,110.36 99.055,110.36 ; 135.685,95.33 139.928,91.087 ; 232.191,91.096 236.434,95.339 ; 273.055,110.36 279.055,110.36
  text ".Layer_Name" at 241.3,48.26 h1.91